# KiCad board TRS80_Model_I_Jap20_E1.kicad_pcb (continued)
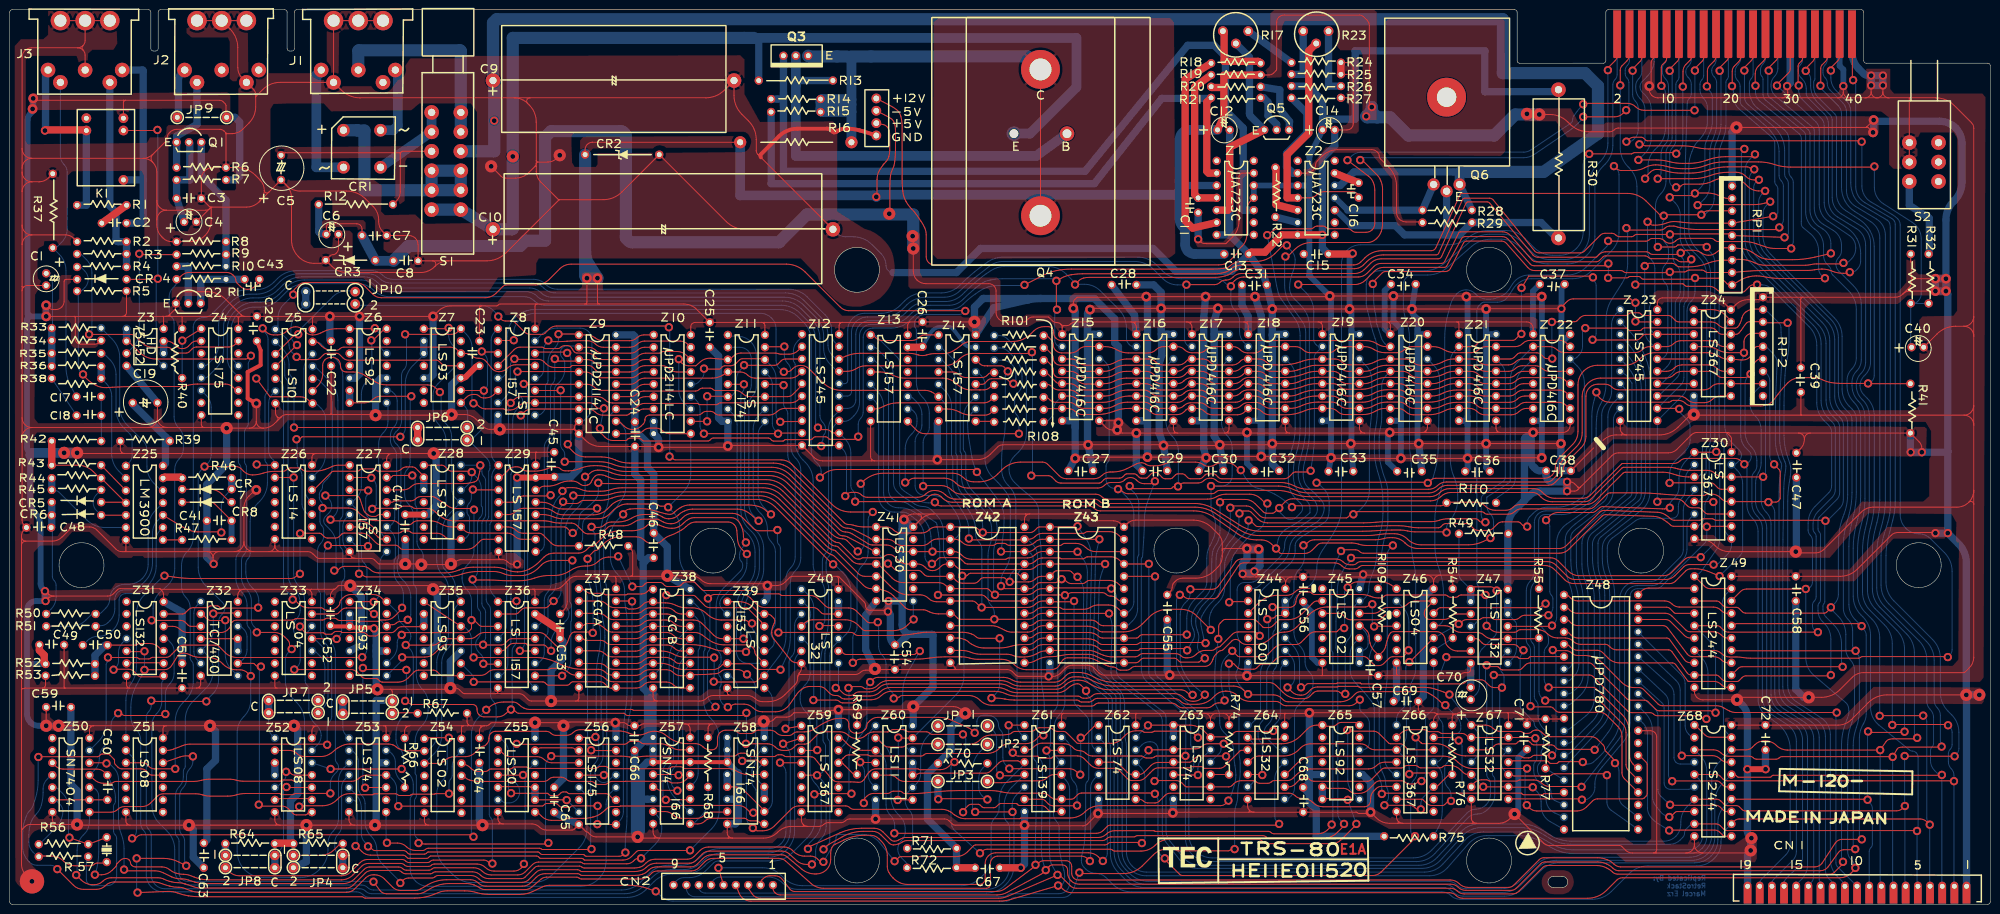
[diagram p0: board, top side]
## Routing (per net, layer and track width the routed paths; a pad name or vN(x,y) marks a point on that pad's centre or on a via; arc(x,y) is an arc through that point) (continued)
/Video/Video Counter/L1: length 51
  Top w0.2: v2(95.35,45.74) 109.59,45.74 arc(109.81,45.7) 109.99,45.57 110.34,45.23 arc(110.53,45.1) 110.76,45.05 114.52,45.05 arc(114.78,45.11) 115.01,45.26 115.36,45.61 arc(115.53,45.72) 115.73,45.76 121.38,45.76 arc(121.83,45.68) 122.21,45.42 122.87,44.76 arc(123.22,44.53) 123.64,44.44 124.32,44.44 arc(124.42,44.46) 124.51,44.52 124.52,44.53 arc(124.58,44.56) 124.65,44.53 arc(124.72,44.49) 124.8,44.47 128.71,44.47 arc(129.52,44.63) 130.21,45.09 arc(130.9,45.55) 131.71,45.71 134.93,45.71 arc(135.74,45.55) 136.43,45.09 arc(137.12,44.63) 137.94,44.47 Z38.10
  Bottom w0.2: v2(95.35,45.74) 95.35,46.32 arc(95.24,46.86) 94.94,47.32 Z35.9
/Video/Video Counter/L2: length 207.6
  Top w0.2: v2(58.47,48.28) 70.15,48.28 arc(70.81,48.15) 71.37,47.77 72.36,46.78 arc(72.76,46.52) 73.23,46.42 75.36,46.42 arc(75.52,46.39) 75.66,46.3 76.03,45.93 arc(76.3,45.75) 76.62,45.69 79.8,45.69 arc(80.91,45.91) 81.85,46.54 83.09,47.78 arc(83.51,48.06) 84.01,48.16 87.06,48.16 arc(87.46,48.08) 87.8,47.85 88.38,47.28 arc(88.67,47.08) 89.02,47.01 92.65,47.01 arc(92.7,47.02) 92.75,47.05 arc(92.79,47.08) 92.84,47.09 96.78,47.09 arc(97.55,47.24) 98.19,47.67 arc(98.84,48.1) 99.6,48.25 110.62,48.25 arc(110.8,48.29) 110.96,48.39 arc(111.11,48.5) 111.3,48.53 112.48,48.53 arc(113.6,48.35) 114.62,47.83 115,47.55 arc(115.6,47.24) 116.27,47.14 Z37.8 120.72,47.14 arc(121.62,46.96) 122.38,46.45 arc(123.13,45.94) 124.03,45.76 128.53,45.76 arc(129.34,45.93) 130.03,46.39 130.11,46.46 arc(130.71,46.87) 131.43,47.01 Z38.8 ; v2(134.92,63.6) 134.95,63.57 arc(134.98,63.55) 135.01,63.54 140.42,63.54 arc(140.69,63.49) 140.92,63.34 142.8,61.46 arc(143.3,61.12) 143.9,61 151.44,61 arc(151.53,60.99) 151.6,60.94 154.5,58.04 arc(154.52,58) 154.53,57.96 154.53,57.8 arc(154.55,57.71) 154.6,57.63 Z39.14 ; v2(59.28,117.24) 58.98,117.24 arc(58.7,117.18) 58.46,117.02 Z5.3
  Bottom w0.2: 70.99,126.17 69.3,126.17 arc(67.73,125.86) 66.41,124.98 59.5,118.07 arc(59.34,117.83) 59.28,117.54 v2(59.28,117.24) ; Z38.8 133.28,48.09 arc(134.08,49.28) 134.36,50.69 134.36,62.64 arc(134.44,63.01) 134.64,63.32 v2(134.92,63.6) ; Z5.3 54.93,113.18 arc(55.22,113.12) 55.47,112.95 55.88,112.54 arc(56.35,111.84) 56.51,111.01 56.51,108.83 arc(56.6,108.39) 56.85,108.01 arc(57.1,107.64) 57.19,107.19 57.19,67.91 arc(57.52,66.28) 58.44,64.89 arc(59.36,63.51) 59.69,61.88 59.69,60.44 arc(59.51,59.53) 58.99,58.76 arc(58.47,57.98) 58.29,57.07 58.29,56.76 arc(58.47,55.85) 58.99,55.07 arc(59.51,54.3) 59.69,53.39 59.69,50.23 arc(59.54,49.48) 59.12,48.85 58.57,48.31 arc(58.54,48.29) 58.51,48.28 v2(58.47,48.28)
/Video/Video Counter/L3: length 322.3
  Top w0.2: Z34.14 77.33,62.25 arc(77.2,62.27) 77.09,62.35 76.45,62.99 arc(75.64,63.53) 74.67,63.72 70.14,63.72 arc(69.26,63.55) 68.51,63.05 68.09,62.63 arc(67.91,62.35) 67.84,62.02 arc(67.78,61.69) 67.59,61.41 67.26,61.08 arc(66.61,60.65) 65.85,60.5 65.08,60.5 arc(64.77,60.56) 64.5,60.74 arc(64.23,60.92) 63.92,60.98 61.4,60.98 arc(60.29,61.2) 59.35,61.83 58.62,62.56 arc(58.48,62.65) 58.32,62.68 v2(58.14,62.68) ; v2(119.81,55.82) 119.72,55.91 arc(119.62,55.98) 119.51,56 116.11,56 arc(115.77,55.93) 115.49,55.74 arc(115.26,55.46) 115.09,55.14 114.6,53.85 arc(114.41,53.48) 114.16,53.17 arc(113.83,52.95) 113.45,52.88 113.22,52.88 arc(112.62,53) 112.11,53.33 110.08,55.37 arc(109.49,55.76) 108.8,55.9 97.57,55.9 arc(96.74,55.73) 96.04,55.26 arc(95.33,54.79) 94.5,54.63 Z35.11 89.21,54.63 arc(88.99,54.59) 88.81,54.46 88.15,53.8 arc(87.6,53.44) 86.95,53.31 81.42,53.31 arc(81.41,53.31) 81.39,53.32 v2(81.38,53.33) ; v2(118.74,71.06) 118.74,71.19 arc(118.77,71.31) 118.83,71.41 120.04,72.61 arc(120.24,72.74) 120.47,72.79 arc(120.7,72.84) 120.9,72.97 122.12,74.19 arc(123.67,75.22) 125.49,75.58 128.75,75.58 arc(129.64,75.41) 130.4,74.9 arc(131.16,74.39) 132.06,74.21 132.54,74.21 arc(133.4,74.38) 134.14,74.87 134.15,74.89 arc(134.85,75.44) 135.66,75.83 arc(136.51,76.16) 137.32,76.56 137.99,76.94 arc(138.52,77.28) 138.99,77.69 139.03,77.73 arc(139.46,78.1) 139.95,78.38 arc(140.47,78.57) 141.03,78.63 147.62,78.63 arc(148.28,78.5) 148.84,78.12 arc(149.23,77.56) 149.41,76.9 149.57,74.96 arc(149.88,73.83) 150.58,72.89 v2(151.48,72.05) 151.34,72.05 ; v2(65.94,27.83) v2(80.54,27.83)
  Bottom w0.2: v2(151.48,72.05) 151.48,70.12 arc(151.13,68.34) 150.12,66.83 146.46,63.17 arc(146.06,62.57) 145.92,61.87 arc(146.06,61.16) 146.46,60.57 147.27,59.75 arc(147.32,59.72) 147.38,59.71 Z39.2 ; v2(118.74,71.06) 118.74,68.57 arc(118.89,66.85) 119.31,65.17 arc(119.74,63.49) 119.89,61.77 119.89,55.95 arc(119.88,55.9) 119.85,55.86 v2(119.81,55.82) ; Z5.5 54.86,108.1 arc(55.1,108.05) 55.3,107.92 55.69,107.52 arc(56.11,106.89) 56.26,106.14 56.26,66.37 arc(56.5,65.14) 57.2,64.1 57.97,63.33 arc(58.09,63.15) 58.14,62.92 v2(58.14,62.68) ; v2(65.94,27.83) Z52.12 ; 124.58,24.02 123.57,23.01 arc(122.82,21.88) 122.55,20.55 122.55,8.91 arc(122.16,6.91) 121.03,5.23 arc(119.34,4.1) 117.35,3.7 85.98,3.7 arc(84.57,3.98) 83.37,4.78 arc(82.57,5.98) 82.29,7.39 82.29,21.54 arc(82.38,21.96) 82.61,22.31 arc(82.85,22.66) 82.93,23.07 82.93,24.58 arc(82.68,25.82) 81.98,26.88 81.19,27.66 arc(81.01,27.79) 80.78,27.83 v2(80.54,27.83) 80.72,28.01 arc(80.85,28.21) 80.9,28.44 80.9,30.18 arc(80.7,31.18) 80.14,32.02 arc(79.57,32.87) 79.37,33.86 79.37,35.01 arc(79.78,37.06) 80.94,38.8 81.34,39.19 arc(82.51,40.96) 82.93,43.04 82.93,50.78 arc(82.73,51.75) 82.18,52.58 81.45,53.32 arc(81.43,53.33) 81.41,53.33 v2(81.38,53.33) 81.9,53.85 arc(82.29,54.43) 82.42,55.11 82.42,55.14 arc(82.28,55.84) 81.88,56.44 80.37,57.95 arc(80.01,58.49) 79.88,59.14 arc(79.75,59.78) 79.39,60.33 Z34.14
/Video/Video Counter/VDRV: length 461.2
  Top w0.2: v2(258.44,82.44) 258.25,82.44 arc(258.08,82.48) 257.93,82.58 257.11,83.39 arc(256.05,84.1) 254.81,84.35 249.94,84.35 arc(248.95,84.22) 248.03,83.84 arc(247.11,83.46) 246.12,83.33 225.63,83.33 arc(224.97,83.46) 224.41,83.84 arc(223.84,84.21) 223.18,84.35 195.69,84.35 arc(194.53,84.58) 193.55,85.24 arc(192.56,85.89) 191.4,86.12 187.92,86.12 arc(187.84,86.11) 187.77,86.06 v2(187.7,86) ; v2(250.59,62.12) 250.66,62.19 arc(250.73,62.23) 250.81,62.25 254.29,62.25 arc(254.37,62.27) 254.44,62.31 Z44.2 ; Z52.2 57.49,31.64 arc(58.3,31.48) 58.99,31.02 arc(59.68,30.56) 60.49,30.4 64.03,30.4 arc(64.86,30.51) 65.64,30.85 66,31.07 arc(66.36,31.32) 66.7,31.62 arc(67.03,31.91) 67.41,32.16 67.92,32.45 arc(68.87,32.83) 69.88,32.96 77.76,32.96 arc(78.22,32.92) 78.67,32.81 78.78,32.77 arc(79.1,32.62) 79.37,32.4 arc(79.65,32.18) 79.96,32.01 80.33,31.86 arc(81.04,31.64) 81.78,31.57 85.13,31.57 arc(85.16,31.56) 85.19,31.54 Z54.2 ; v2(196.37,122.04) 196.34,122.07 arc(196.31,122.08) 196.28,122.09 172.43,122.09 arc(171.5,122.28) 170.71,122.8 163.44,130.07 arc(161.68,131.25) 159.59,131.67 115.38,131.67 arc(114.1,131.41) 113.02,130.69 110.88,128.56 arc(109.6,127.7) 108.09,127.4 102.17,127.4 arc(101.69,127.3) 101.28,127.03 99.96,125.71 arc(98.9,125.01) 97.66,124.76 76.36,124.76 arc(75.41,124.95) 74.61,125.48 73.04,127.06 arc(72.09,127.69) 70.98,127.91 60.75,127.91 arc(60,127.76) 59.37,127.34 58.53,126.5 arc(58.33,126.2) 58.27,125.85 v2(58.27,125.39) ; Z7.11 89.69,110.76 arc(89.19,110.86) 88.77,111.14 88.2,111.72 arc(87.98,111.86) 87.73,111.91 69.63,111.91 arc(69,112.04) 68.47,112.39 67.77,113.1 arc(67.51,113.27) 67.21,113.33 65.22,113.33 arc(64.8,113.25) 64.45,113.01 63.8,112.36 arc(63.43,112.11) 62.99,112.03 59.92,112.03 arc(59.55,112.1) 59.23,112.31 v2(58.95,112.59)
  Bottom w0.2: v2(187.7,86) 187.7,95.01 arc(187.87,95.84) 188.34,96.54 arc(188.81,97.24) 188.97,98.07 188.97,101 arc(188.63,102.75) 187.64,104.22 arc(186.65,105.7) 186.31,107.44 186.31,118.11 arc(186.26,118.36) 186.12,118.57 arc(185.98,118.78) 185.93,119.03 185.93,119.4 arc(186.04,119.99) 186.38,120.48 186.56,120.67 arc(187.26,121.14) 188.09,121.3 195.06,121.3 arc(195.54,121.4) 195.95,121.67 196.3,122.02 arc(196.32,122.04) 196.34,122.04 v2(196.37,122.04) ; Z7.11 92.2,110.76 arc(91.73,110.67) 91.33,110.4 87.97,107.04 arc(87.25,105.96) 86.99,104.69 86.99,101.73 arc(87.34,99.98) 88.33,98.51 arc(89.31,97.03) 89.66,95.29 89.66,82.27 arc(89.41,81.02) 88.71,79.97 arc(88,78.91) 87.75,77.67 87.75,70.69 arc(88.07,69.11) 88.96,67.77 arc(89.85,66.44) 90.17,64.86 90.17,55.57 arc(89.85,54) 88.96,52.66 arc(88.07,51.32) 87.75,49.75 87.75,34.77 arc(87.51,33.52) 86.8,32.47 86.07,31.74 arc(85.83,31.57) 85.53,31.51 Z54.2 ; v2(250.59,62.12) 250.71,62.24 arc(250.79,62.36) 250.82,62.51 250.82,68 arc(250.89,69.23) 251.08,70.44 251.18,70.94 arc(251.4,71.61) 251.76,72.23 252.28,72.92 arc(253.28,74.15) 254.36,75.31 254.66,75.61 arc(255.58,76.4) 256.6,77.04 arc(257.45,77.78) 257.87,78.82 v2(258.44,82.44) ; v2(58.95,112.59) 58,113.54 arc(57.56,114.21) 57.4,114.99 arc(57.25,115.78) 56.8,116.44 55.12,118.12 arc(54.97,118.22) 54.8,118.26 arc(54.73,118.3) 54.74,118.39 54.86,118.51 arc(55.05,118.79) 55.12,119.12 55.12,120.48 arc(55.43,122.06) 56.33,123.41 58.25,125.32 arc(58.26,125.34) 58.27,125.37 v2(58.27,125.39)
/Video/Video Generator/GRAPHICS: length 9.3
  Top w0.2: Z56.2 116.69,31.64 arc(116.43,31.69) 116.21,31.84 116.14,31.91 arc(115.84,32.11) 115.5,32.18 109.16,32.18 arc(108.81,32.11) 108.52,31.91 108.36,31.75 arc(108.24,31.67) 108.1,31.64 Z55.13
/Video/Video Generator/LB0: length 115.6
  Top w0.2: Z11.15 155.24,114.62 arc(155.3,114.66) 155.37,114.67 159.09,114.67 arc(159.13,114.68) 159.15,114.7 v2(159.18,114.73) ; Z37.7 117.04,49.61 arc(117.11,49.55) 117.21,49.53 121.11,49.53 arc(121.89,49.38) 122.56,48.93 arc(123.23,48.49) 124.01,48.33 128.77,48.33 arc(129.5,48.48) 130.12,48.89 130.18,48.94 arc(130.74,49.32) 131.39,49.45 132.03,49.45 arc(132.1,49.46) 132.15,49.5 arc(132.21,49.54) 132.28,49.55 133.87,49.55 arc(135.08,49.39) 136.21,48.91 arc(137.33,48.44) 138.54,48.28 144.54,48.28 arc(145.37,48.44) 146.07,48.91 146.45,49.29 arc(146.74,49.48) 147.08,49.55 147.98,49.55 arc(148.05,49.54) 148.11,49.5 148.14,49.46 arc(148.16,49.45) 148.17,49.46 arc(148.18,49.47) 148.2,49.47 151.97,49.47 arc(152.27,49.41) 152.53,49.24 153.12,48.65 arc(153.5,48.39) 153.95,48.3 158.31,48.3 arc(158.34,48.3) 158.37,48.28 v2(158.39,48.25)
  Bottom w0.2: v2(159.18,114.73) 159.18,112.93 arc(159.35,112.05) 159.85,111.31 arc(160.35,110.56) 160.53,109.68 160.53,94.17 arc(160.79,92.84) 161.54,91.71 arc(162.29,90.59) 162.56,89.26 162.56,71.27 arc(162.28,69.86) 161.48,68.66 arc(160.68,67.47) 160.4,66.06 160.4,54.91 arc(160.15,52.65) 159.43,50.49 v2(158.39,48.25)
/Video/Video Generator/LB1: length 110.7
  Top w0.2: Z11.12 158.72,106.95 arc(158.84,106.93) 158.94,106.86 v2(159.03,106.78) ; v2(144.68,45.79) 144.71,45.75 arc(144.76,45.72) 144.81,45.71 152.91,45.71 arc(153.33,45.8) 153.68,46.03 154.51,46.87 arc(154.67,46.97) 154.86,47.01 Z39.10 ; Z37.6 117,52.18 arc(117.05,52.15) 117.1,52.14 120.81,52.14 arc(121.62,51.98) 122.31,51.52 arc(123,51.06) 123.81,50.9 128.85,50.9 arc(129.63,51.05) 130.29,51.49 130.42,51.62 arc(130.93,51.97) 131.54,52.09 133.95,52.09 arc(135.21,51.93) 136.4,51.45 arc(137.58,50.98) 138.85,50.82 144.62,50.82 arc(144.67,50.81) 144.71,50.78 v2(144.75,50.74)
  Bottom w0.2: Z39.10 158.13,51.04 arc(159.16,52.97) 159.51,55.13 159.51,66.87 arc(159.76,68.12) 160.46,69.17 arc(161.17,70.23) 161.41,71.47 161.41,88.73 arc(161.22,89.73) 160.65,90.57 arc(160.09,91.41) 159.89,92.41 159.89,100.88 arc(159.78,101.45) 159.46,101.92 arc(159.14,102.4) 159.03,102.97 v2(159.03,106.78) ; v2(144.68,45.79) 144.71,45.83 arc(144.74,45.87) 144.75,45.92 v2(144.75,50.74)
/Video/Video Generator/LB2: length 105.6
  Top w0.2: Z37.5 117.36,54.76 arc(117.68,54.69) 117.94,54.51 arc(118.21,54.34) 118.53,54.27 121.48,54.27 arc(122.03,54.16) 122.49,53.85 arc(122.95,53.54) 123.5,53.44 128.77,53.44 arc(129.55,53.59) 130.21,54.03 130.31,54.14 arc(130.86,54.5) 131.51,54.63 135.1,54.63 arc(135.9,54.47) 136.57,54.02 arc(137.25,53.57) 138.05,53.41 139.94,53.41 arc(141.96,53.24) 143.91,52.75 145.09,52.35 arc(145.86,52.15) 146.64,52.09 Z39.5 151,52.09 arc(151.12,52.07) 151.22,52 v2(151.31,51.91)
  Bottom w0.2: v2(151.31,51.91) 151.38,51.91 arc(151.45,51.93) 151.51,51.97 151.93,52.38 arc(152.28,52.9) 152.4,53.52 152.4,54.28 arc(152.22,55.19) 151.7,55.96 arc(151.18,56.74) 151,57.65 151,60.5 arc(151.42,62.59) 152.59,64.35 153.34,65.1 arc(154.52,66.87) 154.94,68.95 154.94,73.08 arc(154.52,75.16) 153.34,76.92 152.59,77.67 arc(151.42,79.44) 151,81.52 151,103.43 arc(151.18,104.34) 151.7,105.11 arc(152.22,105.89) 152.4,106.8 152.4,112.19 arc(152.22,113.1) 151.7,113.87 arc(150.93,114.39) 150.01,114.57 Z11.2
/Video/Video Generator/LB3: length 101.8
  Top w0.2: Z39.11 153.42,51.19 arc(153.19,51.54) 153.11,51.95 arc(153.03,52.36) 152.79,52.71 152.63,52.88 arc(152.09,53.23) 151.46,53.36 146.82,53.36 arc(145.93,53.43) 145.08,53.66 arc(144.26,54.01) 143.51,54.49 142.26,55.42 arc(141.56,55.78) 140.79,55.9 138.21,55.9 arc(137.38,56.06) 136.68,56.53 arc(135.97,57) 135.14,57.17 131.47,57.17 arc(130.79,57.03) 130.21,56.65 130.13,56.57 arc(129.47,56.13) 128.69,55.98 123.84,55.98 arc(123.12,56.12) 122.51,56.53 122.48,56.56 arc(121.92,57.03) 121.3,57.42 arc(120.63,57.67) 119.91,57.75 118.69,57.75 arc(118.39,57.69) 118.13,57.52 arc(117.88,57.36) 117.58,57.3 Z37.4
  Bottom w0.2: Z11.7 148.52,100.92 arc(149.23,99.87) 149.48,98.62 149.48,80.63 arc(149.89,78.55) 151.07,76.78 151.57,76.29 arc(152.75,74.52) 153.16,72.44 153.16,69.46 arc(152.75,67.37) 151.57,65.61 150.94,64.99 arc(149.76,63.22) 149.35,61.14 149.35,51.93 arc(149.53,51.02) 150.05,50.25 arc(150.82,49.73) 151.73,49.55 Z39.11
/Video/Video Generator/LB4: length 94.4
  Top w0.2: v2(150.87,106.95) Z11.5 ; Z37.3 120.98,59.84 arc(121.82,59.67) 122.54,59.19 arc(123.26,58.71) 124.1,58.54 128.74,58.54 arc(129.5,58.69) 130.15,59.12 130.21,59.19 arc(130.79,59.57) 131.47,59.71 Z38.3 135.03,59.71 arc(135.85,59.55) 136.54,59.09 arc(137.22,58.63) 138.04,58.46 140.6,58.46 arc(141.48,58.29) 142.23,57.79 144.66,55.36 arc(145.47,54.82) 146.42,54.63 v2(150.77,54.63)
  Bottom w0.2: v2(150.77,54.63) 150.77,54.74 arc(150.75,54.85) 150.69,54.94 150.51,55.12 arc(150.31,55.42) 150.24,55.77 150.24,60.88 arc(150.65,62.97) 151.83,64.73 152.46,65.35 arc(153.63,67.12) 154.05,69.2 154.05,72.82 arc(153.63,74.9) 152.46,76.67 151.83,77.29 arc(150.65,79.06) 150.24,81.14 150.24,104.6 arc(150.32,105.01) 150.56,105.37 arc(150.79,105.72) 150.87,106.13 v2(150.87,106.95)
/Video/Video Generator/LB5: length 97.7
  Top w0.2: v2(152.53,57.78) 152.31,57.78 arc(152.11,57.82) 151.94,57.93 151.75,58.12 arc(151.37,58.38) 150.92,58.46 146.3,58.46 arc(144.66,58.79) 143.27,59.72 arc(141.87,60.65) 140.23,60.98 139.06,60.98 arc(137.95,61.11) 136.9,61.49 arc(135.86,61.87) 134.75,62 132.64,62 arc(132.47,62.03) 132.33,62.12 arc(132.19,62.22) 132.03,62.25 131.46,62.25 arc(130.76,62.11) 130.18,61.72 129.93,61.47 arc(129.1,60.92) 128.13,60.72 127.27,60.72 arc(127.09,60.76) 126.93,60.86 arc(126.78,60.97) 126.6,61 124.36,61 arc(123.47,61.18) 122.71,61.69 arc(121.95,62.2) 121.05,62.38 Z37.2
  Bottom w0.2: Z11.10 153.99,100.67 arc(153.09,99.33) 152.78,97.75 152.78,84 arc(153.16,82.09) 154.24,80.47 154.4,80.32 arc(155.36,78.87) 155.7,77.17 155.7,76.5 arc(155.91,75.42) 156.53,74.5 arc(157.14,73.59) 157.35,72.51 157.35,57.92 arc(157.24,57.34) 156.91,56.85 arc(156.58,56.36) 156.46,55.78 156.46,55.59 arc(156.54,55.17) 156.78,54.82 arc(157.01,54.47) 157.1,54.05 157.1,53.93 arc(156.99,53.4) 156.69,52.95 156.1,52.36 arc(155.8,52.16) 155.45,52.09 154.87,52.09 arc(154.7,52.12) 154.55,52.22 154.05,52.72 arc(153.58,53.43) 153.41,54.26 153.41,55.14 arc(153.3,55.72) 152.97,56.22 152.92,56.27 arc(152.63,56.7) 152.53,57.22 v2(152.53,57.78)
/Video/Video Generator/LB6: length 55.8
  Top w0.2: Z37.1 117.41,64.92 arc(117.82,64.83) 118.17,64.6 118.34,64.43 arc(118.87,64.08) 119.5,63.95 121.8,63.95 arc(122,63.91) 122.17,63.8 arc(122.34,63.69) 122.54,63.65 126.62,63.65 arc(126.73,63.67) 126.83,63.73 arc(126.93,63.8) 127.05,63.82 129.85,63.82 arc(130.48,63.95) 131.01,64.31 131.24,64.54 arc(131.52,64.72) 131.85,64.79 Z38.1 ; 124.58,31.64 123.76,31.64 arc(123.75,31.64) 123.73,31.63 arc(123.72,31.62) 123.7,31.62 119.61,31.62 arc(119.56,31.63) 119.52,31.65 v2(119.48,31.69)
  Bottom w0.2: Z37.1 117.28,64.92 arc(117.58,64.86) 117.82,64.69 118.17,64.34 arc(118.59,63.71) 118.74,62.96 118.74,56.8 arc(118.69,56.55) 118.55,56.34 arc(118.41,56.13) 118.36,55.88 118.36,55.15 arc(118.41,54.9) 118.55,54.69 arc(118.69,54.48) 118.74,54.23 118.74,32.95 arc(118.84,32.47) 119.11,32.06 v2(119.48,31.69)
/Video/Video Generator/PIXEL: length 172.9
  Top w0.2: v2(49.55,112.82) 49.22,112.49 arc(48.85,112.24) 48.41,112.15 30.06,112.15 arc(28.18,112.53) 26.58,113.59 24.45,115.73 arc(24.32,115.81) 24.17,115.84 24,115.84 ; v2(90.27,22.75) 87.55,22.75 arc(87.48,22.74) 87.42,22.7 arc(87.37,22.66) 87.3,22.65 82.8,22.65 arc(82.61,22.61) 82.46,22.51 arc(82.3,22.41) 82.12,22.37 80.13,22.37 arc(79.9,22.42) 79.7,22.55 arc(79.51,22.68) 79.27,22.73 74.97,22.73 arc(74.84,22.7) 74.72,22.62 arc(74.61,22.55) 74.48,22.52 71.56,22.52 arc(71.41,22.55) 71.28,22.64 arc(71.16,22.72) 71.01,22.75 69.84,22.75 arc(68.6,22.51) 67.56,21.81 67.26,21.51 arc(65.88,20.59) 64.25,20.26 59.79,20.26 arc(59.67,20.24) 59.57,20.17 v2(59.48,20.09) ; v2(50.77,55.92) 54.21,55.92 arc(55.47,55.67) 56.54,54.96 57.13,54.37 arc(57.41,53.95) 57.5,53.46 57.5,53.23 arc(57.56,52.95) 57.72,52.71 v2(57.94,52.5)
  Bottom w0.2: v2(59.48,20.09) 60.03,20.63 arc(60.44,21.24) 60.58,21.95 60.58,37.64 arc(60.16,39.73) 58.98,41.49 58.23,42.24 arc(57.05,44.01) 56.64,46.09 56.64,50.28 arc(56.81,51.13) 57.29,51.85 v2(57.94,52.5) ; v2(90.27,22.75) 90.27,24.93 arc(90.36,25.36) 90.6,25.72 arc(90.84,26.09) 90.93,26.52 90.93,28.26 arc(91.18,29.51) 91.88,30.56 Z54.13 ; v2(49.55,112.82) 49.55,112.44 arc(49.48,112.09) 49.29,111.79 arc(49.09,111.5) 49.02,111.15 49.02,98.98 arc(48.92,98.49) 48.64,98.06 arc(48.36,97.64) 48.26,97.14 48.26,90.97 arc(48.31,90.72) 48.45,90.51 arc(48.59,90.3) 48.64,90.05 48.64,73.13 arc(48.51,72.46) 48.13,71.9 arc(47.76,71.34) 47.62,70.67 47.62,67.24 arc(47.89,65.91) 48.64,64.79 arc(49.39,63.66) 49.66,62.34 49.66,58.47 arc(49.8,57.74) 50.21,57.12 50.55,56.78 arc(50.71,56.54) 50.77,56.24 v2(50.77,55.92)
  Bottom w1.5: Z3.1 24,115.84
/Video/Video Generator/SHIFT: length 146.9
  Top w0.2: Z6.14 77.25,118.38 arc(77.05,118.34) 76.88,118.23 74.77,116.12 arc(74.64,116.03) 74.47,116 v2(74.29,116) ; v2(72.44,50.82) 72.41,50.79 arc(72.39,50.77) 72.35,50.77 46.62,50.77 arc(45.39,51.01) 44.35,51.71 43.08,52.98 arc(42.71,53.22) 42.28,53.31 35.65,53.31 arc(35.21,53.22) 34.84,52.98 32.99,51.12 arc(32.63,50.88) 32.2,50.79 29.37,50.79 arc(29.15,50.75) 28.97,50.63 arc(28.78,50.51) 28.57,50.46 26.67,50.46 arc(26.55,50.49) 26.45,50.55 26.3,50.7 arc(26.23,50.75) 26.15,50.77 v2(20.19,50.77)
  Bottom w0.2: v2(72.44,50.82) 72.92,51.3 arc(73.28,51.84) 73.4,52.47 73.4,68.81 arc(73.26,69.55) 72.83,70.19 arc(72.41,70.82) 72.26,71.57 72.26,73.5 arc(72.23,73.67) 72.13,73.81 arc(72.04,73.95) 72.01,74.11 72.01,79.01 arc(71.73,80.42) 70.93,81.62 70.03,82.52 arc(70,82.63) 70.1,82.7 arc(70.34,82.74) 70.54,82.88 71.31,83.65 arc(72.01,84.7) 72.26,85.95 72.26,104.92 arc(72.54,106.33) 73.34,107.52 arc(74.14,108.72) 74.42,110.13 74.42,115.78 arc(74.4,115.86) 74.36,115.93 v2(74.29,116) ; v2(20.19,50.77) 20.19,50.2 arc(20.14,49.95) 20,49.74 arc(19.86,49.53) 19.81,49.28 19.81,37.32 arc(19.4,35.24) 18.22,33.48 Z50.13
/Video/Video Generator/~{BLANK}: length 20.3
  Top w0.2: Z55.5 100.42,24.11 arc(100.52,24.18) 100.63,24.2 106.78,24.2 arc(106.9,24.18) 107,24.11 arc(107.09,24.05) 107.21,24.02 Z55.10 ; Z55.9 114.36,21.48 arc(114.4,21.48) 114.42,21.46 v2(114.45,21.43)
  Bottom w0.2: v2(114.45,21.43) 114.46,21.43 arc(114.47,21.43) 114.48,21.42 Z56.7
  Bottom w1.5: Z55.10 Z55.9
/Video/Video Generator/~{CHARGAP}: length 35.1
  Top w0.2: v2(103.02,22.85) 103.03,22.84 arc(103.05,22.83) 103.06,22.83 110.43,22.83 arc(110.53,22.81) 110.61,22.75 110.84,22.52 arc(111.01,22.41) 111.21,22.37 112.45,22.37 arc(112.7,22.42) 112.91,22.56 113.28,22.93 arc(113.48,23.06) 113.71,23.11 114.31,23.11 arc(114.46,23.08) 114.59,22.99 114.77,22.82 arc(114.84,22.77) 114.92,22.75 122.45,22.75 arc(122.85,22.67) 123.19,22.45 124,21.63 arc(124.17,21.52) 124.37,21.48 124.58,21.48
  Bottom w0.2: Z55.1 100.58,34.18 arc(100.82,34.14) 101.02,34 101.66,33.36 arc(102.27,32.44) 102.49,31.36 102.49,23.76 arc(102.56,23.42) 102.75,23.12 v2(103.02,22.85)
/Video/Video Generator/~{GRAPHICS}: length 17.4
  Top w0.2: Z56.3 111.41,29.1 arc(110.58,29.27) 109.88,29.74 arc(109.18,30.21) 108.35,30.37 102.93,30.37 arc(102.1,30.54) 101.39,31.01 100.91,31.49 arc(100.74,31.6) 100.54,31.64 Z55.2
/Video/Video Generator/~{LATCH}: length 279.2
  Top w0.2: 16.38,26.56 16.41,26.56 arc(16.43,26.56) 16.45,26.54 17.27,25.72 arc(18.2,25.1) 19.29,24.89 20.84,24.89 arc(21.08,24.94) 21.3,25.08 arc(21.51,25.22) 21.76,25.27 37.81,25.27 arc(38.6,25.32) 39.37,25.5 arc(40.14,25.67) 40.93,25.72 45.31,25.72 arc(45.96,25.67) 46.61,25.52 arc(47.25,25.37) 47.91,25.32 55.52,25.32 arc(55.69,25.35) 55.83,25.44 arc(55.97,25.54) 56.13,25.57 57.86,25.57 arc(58.05,25.54) 58.2,25.43 arc(58.36,25.33) 58.54,25.29 70.25,25.29 arc(71.08,25.46) 71.78,25.93 arc(72.48,26.4) 73.31,26.56 Z53.11 ; 124.58,16.4 120.88,16.4 arc(120.83,16.41) 120.79,16.44 v2(120.75,16.48) ; v2(31.98,39.13) 31.82,38.98 arc(31.66,38.87) 31.46,38.83 23.66,38.83 arc(23.34,38.89) 23.07,39.07 23.03,39.12 arc(22.81,39.26) 22.55,39.31 v2(22.27,39.31) ; v2(120.8,20.24) 115.58,20.24 arc(115.45,20.21) 115.34,20.14 115.19,19.98 arc(115.13,19.95) 115.06,19.93 113.57,19.93 arc(113.23,20) 112.95,20.19 112.56,20.58 arc(112.4,20.68) 112.22,20.72 110.3,20.72 arc(110.1,20.68) 109.93,20.57 109.68,20.31 arc(109.56,20.24) 109.43,20.21 105.91,20.21 arc(105.89,20.21) 105.88,20.2 arc(105.86,20.19) 105.85,20.19 v2(79.86,20.19) ; v2(156.44,80.21) 156.31,80.21 arc(156.19,80.23) 156.09,80.3 155.5,80.89 arc(154.76,81.46) 153.9,81.82 153.8,81.85 arc(152.77,82.07) 151.72,82.14 139.77,82.14 arc(138.84,82.02) 137.98,81.66 137.75,81.53 arc(137.17,81.15) 136.66,80.7 136.49,80.53 arc(136.13,80.29) 135.71,80.21 arc(135.26,80.23) 134.81,80.32 134.56,80.38 arc(133.87,80.56) 133.18,80.75 132.4,80.98 arc(131.05,81.28) 129.67,81.38 129,81.38 arc(128.27,81.36) 127.54,81.3 127.36,81.28 arc(126.86,81.14) 126.44,80.84 126.15,80.55 arc(126.08,80.45) 126.06,80.33 v2(126.06,80.21)
  Bottom w0.2: v2(156.44,80.21) 156.42,80.21 arc(156.41,80.21) 156.4,80.22 155.1,81.51 arc(154.13,82.96) 153.79,84.67 153.79,96.69 arc(153.98,97.61) 154.49,98.38 155.1,98.99 arc(155.17,99.09) 155.19,99.21 Z11.9 ; v2(31.98,39.13) 31.98,43.17 arc(32.21,44.35) 32.88,45.35 arc(33.55,46.34) 33.78,47.52 33.78,52.03 arc(33.58,53.02) 33.02,53.87 32.48,54.4 arc(32.23,54.57) 31.94,54.63 Z31.11 ; v2(79.86,20.19) 79.68,20.36 arc(79.55,20.56) 79.5,20.79 79.5,23.74 arc(79.29,24.82) 78.67,25.74 78.03,26.38 arc(77.83,26.52) 77.59,26.56 Z53.11 ; v2(120.8,20.24) 120.78,20.21 arc(120.76,20.18) 120.75,20.15 v2(120.75,16.48) ; 124.58,16.4 125.35,17.16 arc(125.91,18.01) 126.11,19 126.11,34.64 arc(126.19,36.97) 126.45,39.29 126.53,39.87 arc(126.79,42.19) 126.87,44.52 126.87,57.97 arc(126.81,59.32) 126.62,60.66 arc(126.43,62) 126.36,63.35 126.36,64.37 arc(125.98,66.28) 124.9,67.9 arc(123.82,69.52) 123.44,71.43 123.44,75.16 arc(123.52,76.21) 123.77,77.23 arc(124.2,78.17) 124.84,78.99 v2(126.06,80.21) ; v2(22.27,39.31) 21.55,38.59 arc(21.01,37.79) 20.83,36.84 20.83,35.63 arc(20.51,34.06) 19.62,32.72 19.45,32.55 arc(18.68,31.4) 18.41,30.05 18.41,30.03 arc(18.15,28.7) 17.4,27.58 16.38,26.56
/Video/Video Latch/VD0: length 36.6
  Top w0.2: v2(142.67,110.18) 142.72,110.13 arc(142.78,110.09) 142.84,110.08 145.77,110.08 arc(145.93,110.11) 146.07,110.2 146.42,110.55 arc(146.66,110.71) 146.94,110.76 148.03,110.76 arc(148.71,110.9) 149.29,111.28 150.01,112.01 arc(150.24,112.16) 150.5,112.21 154.89,112.21 arc(155,112.19) 155.1,112.12 Z11.14 ; v2(158.34,99.23) 158.37,99.26 arc(158.4,99.28) 158.43,99.28 162.51,99.28 arc(162.62,99.31) 162.72,99.37 Z12.8
  Bottom w0.2: v2(158.34,99.23) 157.91,99.66 arc(157.59,100.14) 157.48,100.7 157.48,108.13 arc(157.18,109.62) 156.34,110.89 Z11.14 ; v2(142.67,110.18) 142.67,109.35 arc(142.52,108.59) 142.09,107.94 141.5,107.36 arc(141.05,107.06) 140.52,106.95 Z10.14
/Video/Video Latch/VD1: length 42.6
  Top w0.2: Z12.9 158.1,96.92 arc(158.02,96.9) 157.95,96.86 v2(157.88,96.79) v2(142.64,96.79)
  Bottom w0.2: Z10.13 140.14,104.41 arc(140.32,104.38) 140.47,104.28 141.09,103.65 arc(141.66,102.81) 141.86,101.81 141.86,98.37 arc(141.96,97.85) 142.25,97.42 142.56,97.1 arc(142.62,97.01) 142.64,96.91 v2(142.64,96.79) ; Z11.13 155.95,108.73 arc(156.52,107.89) 156.72,106.89 156.72,98.89 arc(156.87,98.13) 157.3,97.48 157.85,96.93 arc(157.88,96.89) 157.88,96.84 v2(157.88,96.79)
/Video/Video Latch/VD2: length 38.6
  Top w0.2: Z12.2 162.04,113.93 arc(161.18,113.35) 160.17,113.15 158.47,113.15 arc(158.18,113.18) 157.9,113.26 arc(157.62,113.35) 157.32,113.38 150.28,113.38 arc(149.4,113.2) 148.65,112.71 148.12,112.18 arc(147.96,112.07) 147.78,112.03 arc(147.57,112.04) 147.37,112.05 144.08,112.32 arc(142.95,112.18) 141.96,111.61 141.07,110.84 arc(141.04,110.81) 141.02,110.79 arc(140.99,110.77) 140.96,110.76 139.53,110.76 arc(138.75,110.92) 138.09,111.36 137.55,111.89 arc(137.5,111.96) 137.49,112.05 v2(137.49,112.13)